# Altium PCB IoT_Greenhouse V1.0 A.PcbDoc
Units mm, origin at the board's own origin, x right, y up, seen from the top; angles counter-clockwise.
Board outline 60 x 40 mm, 2 copper layers (Top Layer, Bottom Layer), stack 1.569 mm thick; 99 components, 61 nets, 389 pads, 0 vias.
Unrouted connection lines stored in the file: 270.
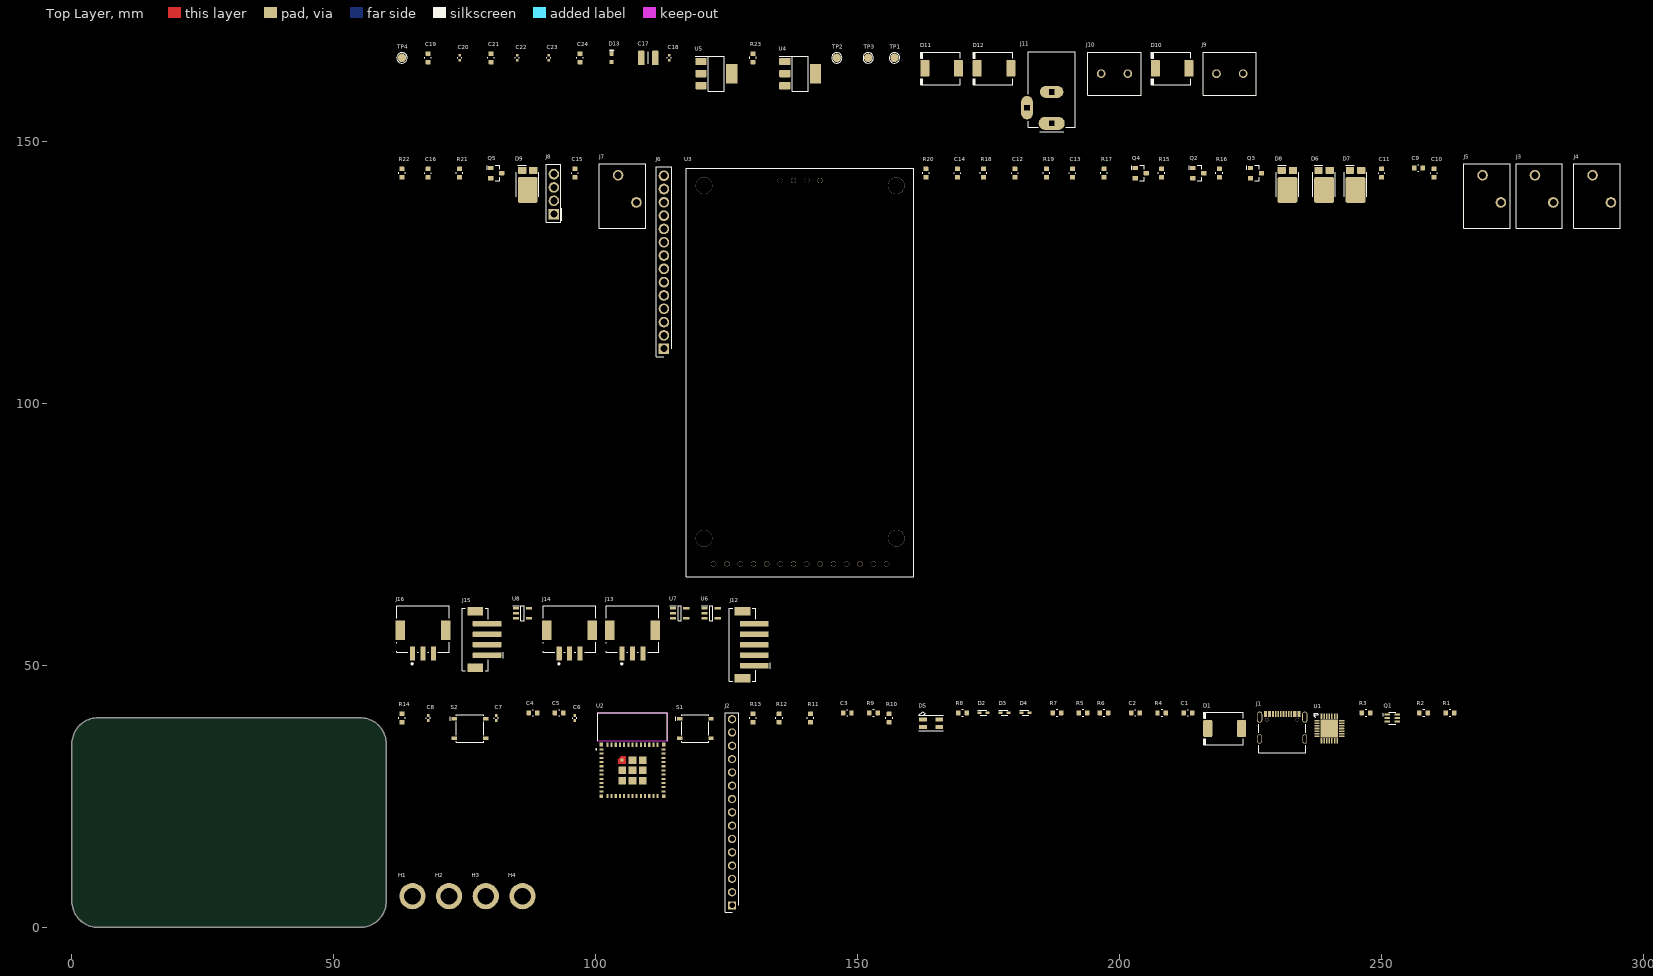
[diagram p0: Top Layer view]
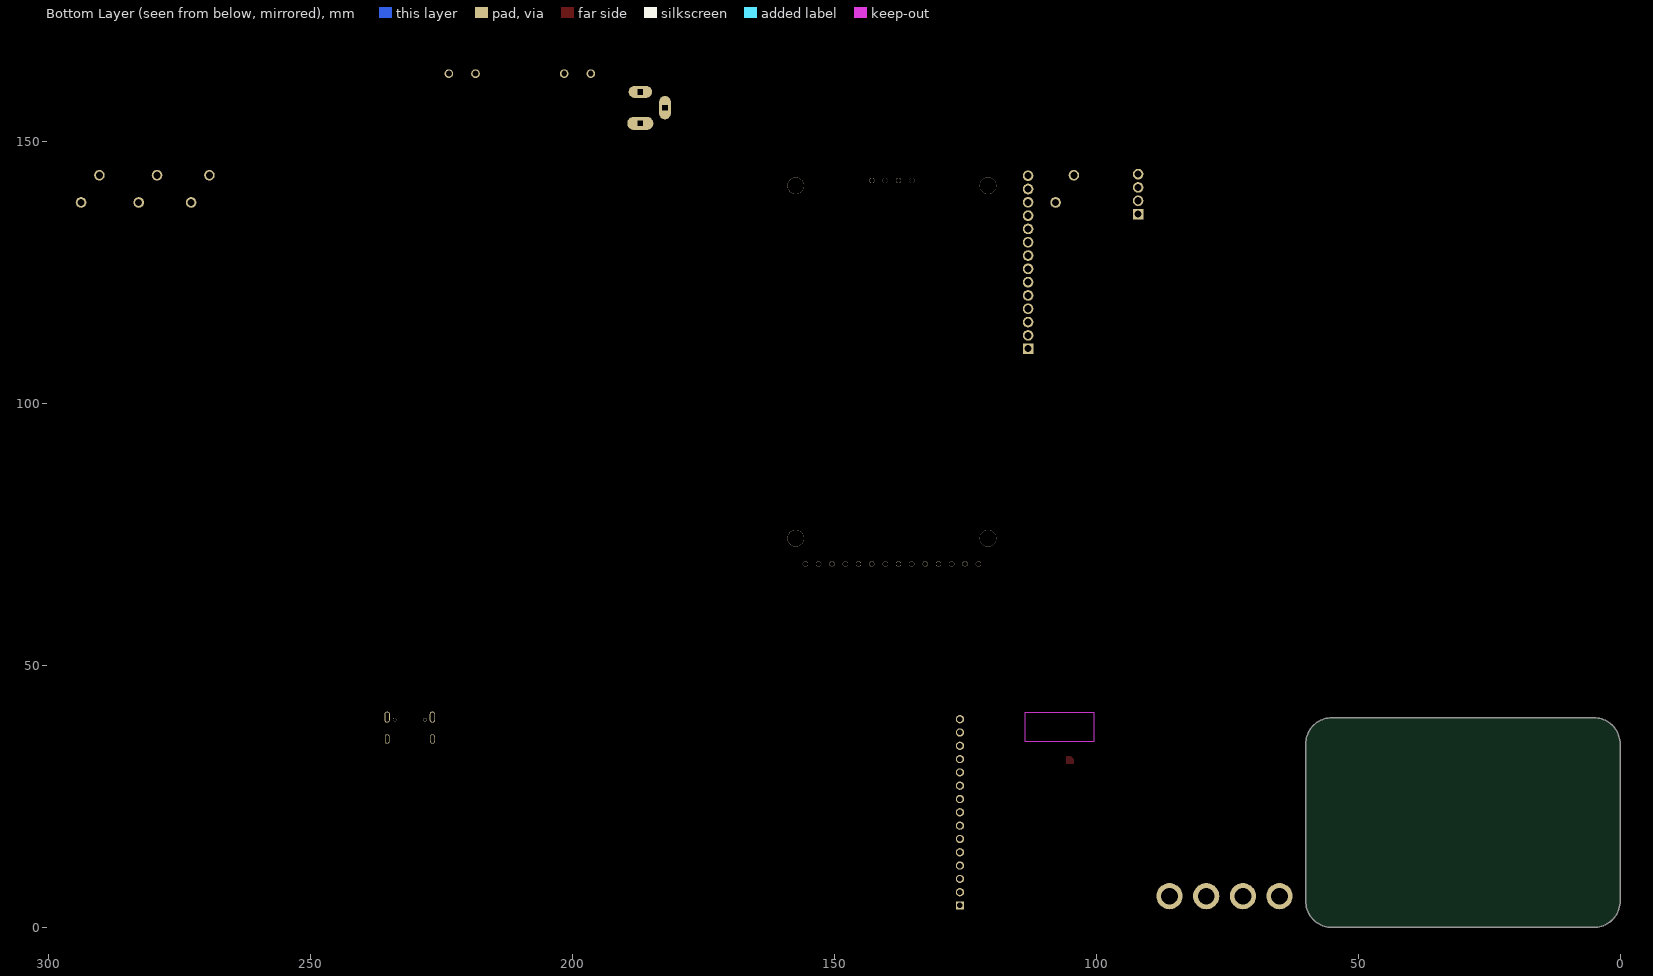
[diagram p1: Bottom Layer view, seen from below]

## Layer stack, top to bottom
Top Solder: solder mask 0.0254, SM-001, Dk 4
Top Layer: signal copper 0.035
Dielectric 1: core 1.4986, Core-043, Dk 4.3
Bottom Layer: signal copper 0.035
Bottom Solder: solder mask 0.0254, SM-001, Dk 4

## Board outline
0.028,5.025 0.028,35.025 cw(c5.028,35.025) 5.028,40.025 55.028,40.025 cw(c55.028,35.025) 60.028,35.025 60.028,5.025 cw(c55.028,5.025) 55.028,0.025 5.028,0.025 cw(c5.028,5.025)

## Design rules (kind name [scope] priority, off if disabled: settings)
BoardOutlineClearance [(InNet('GND')AND IsPolygon)] p1: gap=0.2 ignorepadtopadclearanceinfootprint=FALSE
Clearance [All] p1: gap=0.254 ignorepadtopadclearanceinfootprint=FALSE
ComponentClearance J1_Con_Clearance [InComponent('J1')] p1: gap=-100 collisioncheckmode=3 verticalgap=-100 showdistances=TRUE
ComponentClearance [All] p2: gap=0.254 collisioncheckmode=3 verticalgap=0.178 showdistances=TRUE
Height Height_BOT [(OnLayer('Bottom Layer'))] p2: minheight=0 maxheight=6 prefheight=4
HoleSize [All] p1 off: absolutevalues=TRUE maxlimit=2.54 minlimit=0.025 maxpercent=80.000 minpercent=20.000
HoleToHoleClearance [All] p1: gap=0 allowstackedmicrovias=TRUE
MatchedLengths MatchedLengths_eMMC [InNetClass('eMMC')] p1: tolerance=0.1 checknetsindiffpair=FALSE checkdiffpairvsdiffpair=TRUE checkxsignals=TRUE checkothers=TRUE
MatchedLengths DIFF_PAIRS_Z90 [InDifferentialPairClass('Z90')] p2: tolerance=0.1 checknetsindiffpair=TRUE checkdiffpairvsdiffpair=FALSE checkxsignals=FALSE checkothers=FALSE
MatchedLengths DIFF_PAIRS_Z100 [InDifferentialPairClass('Z100')] p3: tolerance=0.1 checknetsindiffpair=TRUE checkdiffpairvsdiffpair=FALSE checkxsignals=FALSE checkothers=FALSE
MatchedLengths ADD_CMD_CTRLB_G3 [InNetClass('ADD_CMD_CTRLB_G3')] p4: tolerance=0.1 checknetsindiffpair=FALSE checkdiffpairvsdiffpair=TRUE checkxsignals=TRUE checkothers=TRUE
MatchedLengths ADD_CMD_CTRLB_G2 [InNetClass('ADD_CMD_CTRLB_G2')] p5: tolerance=0.1 checknetsindiffpair=FALSE checkdiffpairvsdiffpair=TRUE checkxsignals=TRUE checkothers=TRUE
MatchedLengths ADD_CMD_CTRLB_G1 [InNetClass('ADD_CMD_CTRLB_G1')] p6: tolerance=0.1 checknetsindiffpair=FALSE checkdiffpairvsdiffpair=TRUE checkxsignals=TRUE checkothers=TRUE
MatchedLengths ADD_CMD_CTRLA_G3 [InNetClass('ADD_CMD_CTRLA_G3')] p7: tolerance=0.1 checknetsindiffpair=FALSE checkdiffpairvsdiffpair=TRUE checkxsignals=TRUE checkothers=TRUE
MatchedLengths ADD_CMD_CTRLA_G2 [InNetClass('ADD_CMD_CTRLA_G2')] p8: tolerance=0.1 checknetsindiffpair=FALSE checkdiffpairvsdiffpair=TRUE checkxsignals=TRUE checkothers=TRUE
MatchedLengths ADD_CMD_CTRLA_G1 [InNetClass('ADD_CMD_CTRLA_G1')] p9: tolerance=0.1 checknetsindiffpair=FALSE checkdiffpairvsdiffpair=TRUE checkxsignals=TRUE checkothers=TRUE
MatchedLengths DIIFF_PAIRS_Z85 [InDifferentialPairClass('All Differential Pairs')] p10: tolerance=0.1 checknetsindiffpair=TRUE checkdiffpairvsdiffpair=FALSE checkxsignals=FALSE checkothers=FALSE
MinimumSolderMaskSliver [All] p1: minsoldermaskwidth=0
PlaneConnect PlaneConnect_1 [IsVia] p1: planeconnectstyle=Direct reliefexpansion=0.508 reliefentries=4 reliefconductorwidth=0.254 reliefairgap=0.254
PlaneConnect [IsPad] p2: planeconnectstyle=Direct reliefexpansion=0.5 reliefentries=4 reliefconductorwidth=0.3 reliefairgap=0.25
PolygonConnect [IsPolygon vs IsPad] p1: connectstyle=Direct reliefconductorwidth=0.3 reliefentries=4 polygonreliefangle="90 Angle" airgapwidth=0.3
PolygonConnect Polygon_Via [IsPolygon vs IsVia] p2: connectstyle=Direct reliefconductorwidth=0.254 reliefentries=4 polygonreliefangle="90 Angle" airgapwidth=0.254
RoutingVias [All] p1: holewidth=0.203 width=1 viastyle="Through Hole" minholewidth=0.203 minwidth=0.355 maxholewidth=3.3 maxwidth=1.27
SilkToSilkClearance [All] p1: silktosilkclearance=0.1
SilkToSolderMaskClearance SilkscreenOverComponentPads [IsPad] p1: minsilkscreentomaskgap=0.002 clearancetoexposedcopper=TRUE
SolderMaskExpansion SolderMaskExpVia [IsVia] p1: expansion=-0.076 istentingtop=TRUE
SolderMaskExpansion SolderMaskExpPad [IsPad] p2: expansion=0.051 istentingtop=FALSE
Width [All] p1: maxlimit=5 minlimit=0.085 preferedwidth=0.254
23 further rules are at their usual default settings.

## Classes and differential pairs
component class "IoT_Greenhouse V1.0 A - Pwr Input": C17 C18 C19 C20 C21 C22 C23 C24 D10 D11 D12 D13 J9 J10 J11 R23 TP1 TP2 TP3 TP4 U4 U5
component class "IoT_Greenhouse V1.0 A - Outputs": C9 C10 C11 C12 C13 C14 C15 C16 D6 D7 D8 D9 J3 J4 J5 J6 J7 J8 Q2 Q3 Q4 Q5 R15 R16 R17 R18 R19 R20 R21 R22 U3
component class "IoT_Greenhouse V1.0 A - Inputs": J12 J13 J14 J15 J16 U6 U7 U8
component class "IoT_Greenhouse V1.0 A - Esp32": C1 C2 C3 C4 C5 C6 C7 C8 D1 D2 D3 D4 D5 J1 J2 Q1 R1 R2 R3 R4 R5 R6 R7 R8 R9 R10 R11 R12 R13 R14 S1 S2 U1 U2

## Components (designator, comment, footprint, x,y, rotation, side; value= is the part's Value field where it differs from the comment)
C1 "GRM188R61E106MA73D" CAP_0603_CAPC1608X08N 213.028,40.975 r0 top
C2 "GRM188R61E106MA73D" CAP_0603_CAPC1608X08N 203.028,40.975 r0 top
C3 "CL10A105KO8NNNC" CAP_0603_CAPC1608X08N 148.028,40.975 r0 top
C4 "CL10A105KO8NNNC" CAP_0603_CAPC1608X08N 88.028,40.975 r0 top
C5 "GRM188R61E106MA73D" CAP_0603_CAPC1608X08N 93.028,40.975 r0 top
C6 "GRM155R71H104KE14D" CAP_0402_CAPC1005X05N 96.028,39.975 r90 top
C7 "GRM155R71H104KE14D" CAP_0402_CAPC1005X05N 81.028,39.975 r90 top
C8 "GRM155R71H104KE14D" CAP_0402_CAPC1005X05N 68.028,39.975 r90 top
C9 "CL10B104KO8NNNC" CAP_0603_CAPC1608X08N 257.028,144.975 r0 top
C10 "CL10B104KO8NNNC" CAP_0603_CAPC1608X08N 260.028,143.975 r90 top
C11 "CL10B104KO8NNNC" CAP_0603_CAPC1608X08N 250.028,143.975 r90 top
C12 "CL10B104KO8NNNC" CAP_0603_CAPC1608X08N 180.028,143.975 r90 top
C13 "CL10B104KO8NNNC" CAP_0603_CAPC1608X08N 191.028,143.975 r90 top
C14 "CL10B104KO8NNNC" CAP_0603_CAPC1608X08N 169.028,143.975 r90 top
C15 "CL10B104KO8NNNC" CAP_0603_CAPC1608X08N 96.028,143.975 r90 top
C16 "CL10B104KO8NNNC" CAP_0603_CAPC1608X08N 68.028,143.975 r90 top
C17 "GRM32ER71E226KE15L" CAP_1210_CAPC3225X270N 110.028,165.975 r0 top
C18 "GRM155R71H104KE14D" CAP_0402_CAPC1005X05N 114.028,165.975 r90 top
C19 "GRM188R61E106MA73D" CAP_0603_CAPC1608X08N 68.028,165.975 r90 top
C20 "GRM155R71H104KE14D" CAP_0402_CAPC1005X05N 74.028,165.975 r90 top
C21 "GRM188R61E106MA73D" CAP_0603_CAPC1608X08N 80.028,165.975 r90 top
C22 "GRM155R71H104KE14D" CAP_0402_CAPC1005X05N 85.028,165.975 r90 top
C23 "GRM155R71H104KE14D" CAP_0402_CAPC1005X05N 91.028,165.975 r90 top
C24 "GRM188R61E106MA73D" CAP_0603_CAPC1608X08N 97.028,165.975 r90 top
D1 "SS34-E3/9AT" DIO_Vishay_SMC_MFG 220.028,37.975 r0 top
D2 "ESD5Z5.0T1G" SOD523_SODFL1608X70N 174.028,40.975 r0 top
D3 "ESD5Z5.0T1G" SOD523_SODFL1608X70N 178.028,40.975 r0 top
D4 "ESD5Z5.0T1G" SOD523_SODFL1608X70N 182.028,40.975 r0 top
D5 "WS2812B-B/W" "LED_RGB_3528_ XL-3528RGBW-WS2812B" 164.028,38.975 r0 top
D6 "PMEG100V060ELPDZ" DIO_SCKTY_PMEG060V100EPDAZ 239.028,141.975 r0 top
D7 "PMEG100V060ELPDZ" DIO_SCKTY_PMEG060V100EPDAZ 245.028,141.975 r0 top
D8 "PMEG100V060ELPDZ" DIO_SCKTY_PMEG060V100EPDAZ 232.028,141.975 r0 top
D9 "PMEG100V060ELPDZ" DIO_SCKTY_PMEG060V100EPDAZ 87.028,141.975 r0 top
D10 "SS34-E3/9AT" DIO_Vishay_SMC_MFG 210.028,163.975 r0 top
D11 "SS34-E3/9AT" DIO_Vishay_SMC_MFG 166.028,163.975 r0 top
D12 "SS34-E3/9AT" DIO_Vishay_SMC_MFG 176.028,163.975 r0 top
D13 "LTST-C190KRKT" LED_0603-RED-0.75mm 103.028,165.975 r90 top
H1 "Mounting Hole" PTH_3.2X5 65.028,5.975 r0 top
H2 "Mounting Hole" PTH_3.2X5 72.028,5.975 r0 top
H3 "Mounting Hole" PTH_3.2X5 79.028,5.975 r0 top
H4 "Mounting Hole" PTH_3.2X5 86.028,5.975 r0 top
J1 "TYPE-C 16PIN 2MD(073)" CONN_USB_C_16P 231.028,35.975 r0 top
J2 "PPTC151LFBN-RC" HEADER_FEM_RHDR15W85P0X254_1X15_3708X254X850P 126.028,21.975 r90 top
J3 "1-2834011-2" CONN_TBLOCK_128340112 281.028,140.975 r0 top
J4 "1-2834011-2" CONN_TBLOCK_128340112 292.028,140.975 r0 top
J5 "1-2834011-2" CONN_TBLOCK_128340112 271.028,140.975 r0 top
J6 "PPTC141LFBN-RC" CONN_HEADER_RHDR14W80P0X254_1X14_3606X254X850P 113.028,126.975 r90 top
J7 "1-2834011-2" CONN_TBLOCK_128340112 106.028,140.975 r0 top
J8 "PM254V-11-04-H85" CONN_HEADER_FEM_4P 92.028,139.975 r90 top
J9 "282837-2" CONN_TBLOCK_2P_\2828372 221.028,162.975 r0 top
J10 "282837-2" CONN_TBLOCK_2P_\2828372 199.028,162.975 r0 top
J11 "PJ-202AH" CONN_CUI_PJ-202AH 187.028,159.975 r90 top
J12 "B5B-PH-SM4-TBT(LF)(SN)" CONN_JST_0_MFG_5P 128.028,53.975 r90 top
J13 "SM03B-PASS-TBT" CONN_JST_SM03B-PASS-TBT_LF_SN_MFG 107.028,56.975 r0 top
J14 "SM03B-PASS-TBT" CONN_JST_SM03B-PASS-TBT_LF_SN_MFG 95.028,56.975 r0 top
J15 "B4B-PH-SM4-TBT(LF)(SN)" CONN_JST_0_MFG_4P 77.028,54.975 r90 top
J16 "SM03B-PASS-TBT" CONN_JST_SM03B-PASS-TBT_LF_SN_MFG 67.028,56.975 r0 top
Q1 "BC847BDW1T1G" TRANS_BJT_SOT65P210X110-6N 252.028,39.975 r0 top
Q2 "DMG6968U-7" SOT_23_3_MMBT2907A-13 215.028,143.975 r0 top
Q3 "DMG6968U-7" SOT_23_3_MMBT2907A-13 226.028,143.975 r0 top
Q4 "DMG6968U-7" SOT_23_3_MMBT2907A-13 204.028,143.975 r0 top
Q5 "DMG6968U-7" SOT_23_3_MMBT2907A-13 81.028,143.975 r0 top
R1 "RC0603FR-070RL" RES_0603_RESC1608X04N 263.028,40.975 r0 top
R2 "RC0603FR-070RL" RES_0603_RESC1608X04N 258.028,40.975 r0 top
R3 "AC0603FR-1010KL" RES_0603_RESC1608X04N 247.028,40.975 r0 top
R4 "AC0603FR-1010KL" RES_0603_RESC1608X04N 208.028,40.975 r0 top
R5 "RC0603FR-075K1L" RES_0603_RESC1608X04N 193.028,40.975 r0 top
R6 "RC0603FR-075K1L" RES_0603_RESC1608X04N 197.028,40.975 r0 top
R7 "RC0603FR-070RL" RES_0603_RESC1608X04N 188.028,40.975 r0 top
R8 "AC0603FR-1010KL" RES_0603_RESC1608X04N 170.028,40.975 r0 top
R9 "RC0603FR-0722K1L" RES_0603_RESC1608X04N 153.028,40.975 r0 top
R10 "AC0603FR-101KL" RES_0603_RESC1608X04N 156.028,39.975 r90 top
R11 "AC0603FR-0747K5L" RES_0603_RESC1608X04N 141.028,39.975 r90 top
R12 "AC0603FR-1010KL" RES_0603_RESC1608X04N 135.028,39.975 r90 top
R13 "AC0603FR-1010KL" RES_0603_RESC1608X04N 130.028,39.975 r90 top
R14 "AC0603FR-1010KL" RES_0603_RESC1608X04N 63.028,39.975 r90 top
R15 "RC0603JR-0710RL" RES_0603_RESC1608X04N 208.028,143.975 r90 top
R16 "RC0603JR-0710RL" RES_0603_RESC1608X04N 219.028,143.975 r90 top
R17 "RC0603JR-0710RL" RES_0603_RESC1608X04N 197.028,143.975 r90 top
R18 "RC0603FR-07100KL" RES_0603_RESC1608X04N 174.028,143.975 r90 top
R19 "RC0603FR-07100KL" RES_0603_RESC1608X04N 186.028,143.975 r90 top
R20 "RC0603FR-07100KL" RES_0603_RESC1608X04N 163.028,143.975 r90 top
R21 "RC0603JR-0710RL" RES_0603_RESC1608X04N 74.028,143.975 r90 top
R22 "RC0603FR-07100KL" RES_0603_RESC1608X04N 63.028,143.975 r90 top
R23 "AC0603FR-101KL" RES_0603_RESC1608X04N 130.028,165.975 r90 top
S1 "PTS526SK15SMTR2LFS" SWT_NO_PTS526SK15SMTR2LFS 119.028,37.975 r0 top
S2 "PTS526SK15SMTR2LFS" SWT_NO_PTS526SK15SMTR2LFS 76.028,37.975 r0 top
TP1 "NO COMPONENT" TP_PAD_1.6MM_SMD_ROUND 157.028,165.975 r90 top
TP2 "NO COMPONENT" TP_PAD_1.6MM_SMD_ROUND 146.028,165.975 r90 top
TP3 "NO COMPONENT" TP_PAD_1.6MM_SMD_ROUND 152.028,165.975 r90 top
TP4 "NO COMPONENT" TP_PAD_1.6MM_SMD_ROUND 63.028,165.975 r90 top
U1 "CP2102N-A02-GQFN28R" IC_BRIDGE_UART_QFN50P500X500X80-29N-D 240.028,37.975 r0 top
U2 "ESP32-C3-MINI-1-N4" XCVR_ESP32-C3-MINI-1-N4 107.028,29.975 r0 top
U3 "TFT LCD 2.4\"" "MODULE_TFT_2.4\"" 139.028,105.975 r0 top
U4 "AP2114H-3.3TRG1" IC_REG_SOT230P700X180-4N 139.028,162.975 r0 top
U5 "AZ1117IH-5.0TRG1" IC_REG_SOT230P700X180-4N 123.028,162.975 r0 top
U6 "TLV2371IDBVT" IC_AMP_OP_SOT95P280X145-5N 122.028,59.975 r0 top
U7 "TLV2371IDBVT" IC_AMP_OP_SOT95P280X145-5N 116.028,59.975 r0 top
U8 "TLV2371IDBVT" IC_AMP_OP_SOT95P280X145-5N 86.028,59.975 r0 top

## Footprints (in the part's own frame and the unit in brackets; to place one, negate y for a bottom-side part, rotate by r counter-clockwise, add the part's x,y. Pads: shape width x height; smd on the part's side, far side on the other; paste and mask are expansions set on the pad)
CAP_0402_CAPC1005X05N [mil] "Chip Capacitor, 2-Leads, Body 1.00x0.50mm, IPC Medium Density"
  rrect20% 20x20 smd: 1(-18.9,0) 2(18.9,0)
  silkscreen extent -4,-15 4,15, body extent -20,-10 20,10, height 20
CAP_0603_CAPC1608X08N [mm] "Chip Capacitor, 2-Leads, Body 1.60x0.80mm, IPC Medium Density"
  rrect20% 0.85x0.95 smd: 1(-0.8,0) 2(0.8,0)
  silkscreen extent -0.1,-0.61 0.1,0.61, body extent -0.8,-0.4 0.8,0.4, height 0.3
CAP_1210_CAPC3225X270N [mm] "0.126\" L x 0.098\" W (3.20mm x 2.50mm)"
  rrect20% 1.26x2.72 smd: 1(-1.33,0) 2(1.33,0)
  silkscreen extent 0,-1.15 0,1.15, body extent -1.6,-1.25 1.6,1.25, height 2.7
CONN_CUI_PJ-202AH [mm] "Through Hole, Right Angle"
  oval 2.5x5 hole 1 square: 1(-6.5,0)
  oval 2.25x4.5 hole 1 square: 2(-0.5,0)
  oval 4.5x2.25 hole 1 square: 3(-3.5,4.7)
  silkscreen extent -8.13,-4.5 7.2,4.5, body extent -7.11,-4.52 7.29,4.88, height 11.01
CONN_HEADER_FEM_4P [mm] "2.54mm"
  rect 2.025x2.025 hole 1.35: 1(-3.81,0)
  round 2.025 hole 1.35: 2(-1.27,0) 3(1.27,0) 4(3.81,0)
  silkscreen extent -5.33,-1.52 5.68,1.46, body extent -5.33,-1.27 5.33,1.27, height 8.5
CONN_HEADER_RHDR14W80P0X254_1X14_3606X254X850P [mm]
  rect 2.025x2.025 hole 1.35: 1(-16.51,0)
  round 2.025 hole 1.35: 2(-13.97,0) 3(-11.43,0) 4(-8.89,0) 5(-6.35,0) 6(-3.81,0) 7(-1.27,0) 8(1.27,0) 9(3.81,0) 10(6.35,0) 11(8.89,0) 12(11.43,0) 13(13.97,0) 14(16.51,0)
  silkscreen extent -18.03,-1.5 18.24,1.5, body extent -18.03,-1.27 18.03,1.27, height 8.5
CONN_JST_0_MFG_4P [mm] "Connector Header Surface Mount 4 position 0.079\" (2.00mm)"
  rect 1.6x3 smd paste+0: 0(-5.4,0) 0(5.4,0)
  rrect20% 1x5.5 smd paste+0: 1(-3,-2.25) 2(-1,-2.25) 3(1,-2.25) 4(3,-2.25)
  silkscreen extent -5.97,-5.33 5.97,2.5, body extent -6.3,-5.1 6.3,2.6, height 0.25
CONN_JST_0_MFG_5P [mm] "Connector Header Surface Mount 5 position 0.079\" (2.00mm)"
  rect 1.6x3 smd paste+0: 0(-6.4,0) 0(6.4,0)
  rrect20% 1x5.5 smd paste+0: 1(-4,-2.25) 2(-2,-2.25) 3(0,-2.25) 4(2,-2.25) 5(4,-2.25)
  silkscreen extent -6.98,-5.33 6.98,2.5, body extent -7.3,-5.1 7.3,2.6, height 0.25
CONN_JST_SM03B-PASS-TBT_LF_SN_MFG [mm]
  rrect20% 1x2.7 smd: 1(-2,-4.7) 2(0,-4.7) 3(2,-4.7)
  rect 1.8x3.8 smd: SH(-4.35,-0.25) SH(4.35,-0.25)
  silkscreen extent -5,-6.8 5,4.45, body extent -5.35,-6.15 5.35,4.55, height 0.25
CONN_TBLOCK_2P_\2828372 [mm]
  round 1.65 hole 1.1: 1(-2.54,0) 2(2.54,0)
  silkscreen extent -5.08,-4.1 5.08,4.1, body extent -5.03,-4.09 5.73,4.11, height 10.1
CONN_TBLOCK_128340112 [mm] "Pitch 3.5mm"
  round 2.025 hole 1.35: 1(-1.75,2.6) 2(1.75,-2.6)
  silkscreen extent -5.35,-7.55 3.5,4.8, body extent -5.17,-7.35 3.33,4.65, height 12.79
CONN_USB_C_16P [mm] "SMD 16P"
  rect 0.6x1.14 smd: A1_B12(-3.2,4.75) A4_B9(-2.4,4.75) B1_A12(3.2,4.75) B4_A9(2.4,4.75)
  rect 0.3x1.14 smd: A5(-1.25,4.75) A6(-0.25,4.75) A7(0.25,4.75) A8(1.25,4.75) B5(1.75,4.75) B6(0.75,4.75) B7(-0.75,4.75) B8(-1.75,4.75)
  oval 1.05x2.1 hole 0.6 slot 1.7 at 90 deg: SH1(-4.32,4.18) SH2(4.32,4.18)
  oval 0.9x1.8 hole 0.6 slot 1.4 at 90 deg: SH3(-4.32,0) SH4(4.32,0)
  round 0.65 hole 0.65 unplated: ""(-2.89,3.68) ""(2.89,3.68)
  silkscreen extent -4.47,-2.6 4.47,2.81, body extent -4.47,-2.57 4.47,5.03, height 3.23
DIO_SCKTY_PMEG060V100EPDAZ [mm] "SOT1289"
  rrect20% 1.6x1.34 smd: A(-1.065,2.537) A(1.065,2.537)
  rrect20% 3.8x4.96 smd: K(0,-1.213)
  silkscreen extent -2.15,-2.54 2.15,3.53, body extent -2.23,-3.49 2.22,3.01, height 0.8
DIO_Vishay_SMC_MFG [mm] "DO-214AB (SMA)"
  rrect20% 1.72x3.2 smd paste+0: 1(-3.205,0) 2(3.205,0)
  silkscreen extent -4,-3.11 3.55,3.11, body extent -4.17,-3.21 4.17,3.21, height 0.25
HEADER_FEM_RHDR15W85P0X254_1X15_3708X254X850P [mm]
  rect 1.575x1.575 hole 1.05: 1(-17.78,0)
  round 1.575 hole 1.05: 2(-15.24,0) 3(-12.7,0) 4(-10.16,0) 5(-7.62,0) 6(-5.08,0) 7(-2.54,0) 8(0,0) 9(2.54,0) 10(5.08,0) 11(7.62,0) 12(10.16,0) 13(12.7,0) 14(15.24,0) 15(17.78,0)
  silkscreen extent -19.05,-1.27 19,1.27, body extent -18.54,-1.27 18.54,1.27, height 8.5
IC_AMP_OP_SOT95P280X145-5N [mm] "SOT-23-5"
  rrect20% 1.2x0.55 smd: 1(-1.25,0.95) 2(-1.25,0) 3(-1.25,-0.95) 4(1.25,-0.95) 5(1.25,0.95)
  silkscreen extent -1.85,-1.46 0.3,1.48, body extent -1.4,-1.46 1.4,1.46, height 1.45
IC_BRIDGE_UART_QFN50P500X500X80-29N-D [mm]
  rrect20% 1x0.3 smd: 1(-2.35,1.5) 2(-2.35,1) 3(-2.35,0.5) 4(-2.35,0) 5(-2.35,-0.5) 6(-2.35,-1) 7(-2.35,-1.5) 15(2.35,-1.5) 16(2.35,-1) 17(2.35,-0.5) 18(2.35,0) 19(2.35,0.5) 20(2.35,1) 21(2.35,1.5)
  rrect20% 0.3x1 smd: 8(-1.5,-2.35) 9(-1,-2.35) 10(-0.5,-2.35) 11(0,-2.35) 12(0.5,-2.35) 13(1,-2.35) 14(1.5,-2.35) 22(1.5,2.35) 23(1,2.35) 24(0.5,2.35) 25(0,2.35) 26(-0.5,2.35) 27(-1,2.35) 28(-1.5,2.35)
  rect 3.35x3.35 smd: 29(0,0)
  silkscreen extent -2.9,2.11 -2.08,2.9, body extent -2.55,-2.55 2.55,2.55, height 0.8
IC_REG_SOT230P700X180-4N [mm] "SOT223, 4-Leads, Body 6.50x7.00mm (avg), Pitch 2.30mm, IPC Medium Density"
  rrect20% 2.15x1.4 smd: 1(-2.925,2.3) 2(-2.925,0) 3(-2.925,-2.3)
  rect 2.15x3.7 smd: 4(2.925,0)
  silkscreen extent -4.01,-3.35 1.55,3.35, body extent -3.5,-3.2 3.5,3.3, height 1.65
LED_0603-RED-0.75mm [mm] "LED 0603 RED height = 0.75mm"
  rrect25% 0.8x0.8 smd: 1(0.8,0) 2(-0.8,0)
  silkscreen extent 1.4,-0.38 1.52,0.38, body extent -0.8,-0.4 0.81,0.4, height 0.8
"LED_RGB_3528_ XL-3528RGBW-WS2812B" [mm] "SMT Full-color TOP LED Waterclear, body 3.5x2.8mm"
  rrect20% 1.5x0.8 smd: 1(-1.55,0.7) 2(-1.55,-0.7) 3(1.55,-0.7) 4(1.55,0.7)
  silkscreen extent -2.36,-1.47 2.34,2.22, body extent -1.75,-1.4 1.75,1.4, height 1.9
"MODULE_TFT_2.4\"" [mm]
  round 1 hole 1: 1(-16.51,-36.59) 2(-13.97,-36.59) 3(-11.43,-36.59) 4(-8.89,-36.59) 5(-6.35,-36.59) 6(-3.81,-36.59) 7(-1.27,-36.59) 8(1.27,-36.59) 9(3.81,-36.59) 10(6.35,-36.59) 11(8.89,-36.59) 12(11.43,-36.59) 13(13.97,-36.59) 14(16.51,-36.59) 15(-3.81,36.59) 16(-1.27,36.59) 17(1.27,36.59) 18(3.81,36.59)
  round 3.2 hole 3.2: ""(-18.36,-31.669) ""(-18.36,35.59) ""(18.36,35.59) ""(18.36,-31.67)
  silkscreen extent -21.77,-39.03 21.73,38.97, body extent -21.33,-38.63 21.39,38.55, height 10
PTH_3.2X5 [mm] "PTH 3.2mm drill 5mm ring"
  round 5 hole 3.2 paste-10: 1(0,0)
RES_0603_RESC1608X04N [mm] "Chip Resistor, 2-Leads, Body 1.60x0.80mm, IPC Medium Density"
  rrect20% 0.85x0.95 smd: 1(-0.8,0) 2(0.8,0)
  silkscreen extent -0.13,-0.64 0.17,0.64, body extent -0.8,-0.4 0.8,0.4, height 0.46
SOD523_SODFL1608X70N [mm]
  rrect20% 0.74x0.52 smd: 1(-0.75,0) 2(0.75,0)
  silkscreen extent -1.06,-0.46 0.61,0.48, body extent -0.8,-0.4 0.8,0.4, height 0.7
SOT_23_3_MMBT2907A-13 [mm] "SOT-23-3"
  rrect20% 1x0.85 smd: 1(-1.05,0.98) 2(-1.05,-0.98) 3(1.05,0)
  silkscreen extent -1.75,-1.46 0.65,1.46, body extent -1.21,-1.5 1.21,1.5, height 1.12
SWT_NO_PTS526SK15SMTR2LFS [mm] "TACT 5.2 X 5.2 mm"
  rrect20% 1x0.7 smd: 1(-3,1.85) 2(3,1.85) 3(-3,-1.85) 4(3,-1.85)
  silkscreen extent -3.78,-2.6 2.6,2.6, body extent -3.2,-2.6 3.2,2.6, height 1.55
TP_PAD_1.6MM_SMD_ROUND [mm] "Test Point, round, 1.6mm diameter, smd pad"
  round 1.6 smd paste-1.524: 1(0,0)
  silkscreen extent -1,-1 1,1
TRANS_BJT_SOT65P210X110-6N [mm]
  rrect20% 1.02x0.36 smd: 1(-0.955,0.65) 2(-0.955,0) 3(-0.955,-0.65) 4(0.955,-0.65) 5(0.955,0) 6(0.955,0.65)
  silkscreen extent -1.73,-1.15 0.63,1.15, body extent -1.05,-1 1.05,1, height 1.1
XCVR_ESP32-C3-MINI-1-N4 [mm]
  rrect20% 0.8x0.4 smd: 1(-5.9,4) 2(-5.9,3.2) 3(-5.9,2.4) 4(-5.9,1.6) 5(-5.9,0.8) 6(-5.9,0) 7(-5.9,-0.8) 8(-5.9,-1.6) 9(-5.9,-2.4) 10(-5.9,-3.2) 11(-5.9,-4) 25(5.9,-4) 26(5.9,-3.2) 27(5.9,-2.4) 28(5.9,-1.6) 29(5.9,-0.8) 30(5.9,0) 31(5.9,0.8) 32(5.9,1.6) 33(5.9,2.4) 34(5.9,3.2) 35(5.9,4)
  rrect20% 0.4x0.8 smd: 12(-4.8,-4.9) 13(-4,-4.9) 14(-3.2,-4.9) 15(-2.4,-4.9) 16(-1.6,-4.9) 17(-0.8,-4.9) 18(0,-4.9) 19(0.8,-4.9) 20(1.6,-4.9) 21(2.4,-4.9) 22(3.2,-4.9) 23(4,-4.9) 24(4.8,-4.9) 36(4.8,4.9) 37(4,4.9) 38(3.2,4.9) 39(2.4,4.9) 40(1.6,4.9) 41(0.8,4.9) 42(0,4.9) 43(-0.8,4.9) 44(-1.6,4.9) 45(-2.4,4.9) 46(-3.2,4.9) 47(-4,4.9) 48(-4.8,4.9)
  rect 0.6x0.6 smd paste-1 mask+0: 49_1(-1.975,1.975)
  rect 1.45x1.45 smd: 49_2(0,1.975) 49_3(1.975,1.975) 49_4(1.975,0) 49_5(1.975,-1.975) 49_6(0,-1.975) 49_7(-1.975,-1.975) 49_8(-1.975,0) 49_9(0,0)
  rrect20% 0.7x0.7 smd: 50(5.95,4.95) 51(5.95,-4.95) 52(-5.95,-4.95) 53(-5.95,4.95)
  Top Layer region: -1.25,1.25 -2.7,1.25 -2.7,2.1 -2.1,2.7 -1.25,2.7
  Keep-Out Layer region: 6.6,5.6 -6.6,5.6 -6.6,11 6.6,11
  Keep-Out Layer region: 6.6,5.6 -6.6,5.6 -6.6,11 6.6,11
  silkscreen extent -7.03,3.92 6.6,11, body extent -6.6,-5.6 6.6,11, height 2.55

## Part data
C1 C2 C5 C19 C21 C24: library part CAP_10UF_25V_X5R_0603, "Multilayer Ceramic Capacitor, 10 uF, 25 V, ± 20%, X5R, 0603 [1608 Metric]", Capacitance=10uF, Case Code (Imperial)=0603, Case Code (Metric)=1608, Dielectric=X5R, Manufacturer=Murata, Max Operating Temperature=85°C, Min Operating Temperature=-55°C, Package Quantity=1, Supplier Part Number 1=490-7202-1-ND, Tolerance=20%, Voltage=25V, Case/Package=0603, Category="Ceramic Capacitors", ComponentLink1Description=https://datasheet.ciiva.com/22776/c02e-22776427.pdf?src-supplier=Farnell, ComponentLink1URL=https://datasheet.ciiva.com/22776/c02e-22776427.pdf?src-supplier=Farnell, ComponentLink2Description=https://datasheet.ciiva.com/22619/c02e-22619674.pdf?src-supplier=Element14, ComponentLink2URL=https://datasheet.ciiva.com/22619/c02e-22619674.pdf?src-supplier=Element14, ComponentLink3Description=https://datasheet.ciiva.com/22776/608985-22776426.pdf?src-supplier=Farnell, ComponentLink3URL=https://datasheet.ciiva.com/22776/608985-22776426.pdf?src-supplier=Farnell, ComponentLink4Description=https://datasheet.ciiva.com/14906/partnumbering-e-01-14906431.pdf?src-supplier=Digi-Key, ComponentLink4URL=https://datasheet.ciiva.com/14906/partnumbering-e-01-14906431.pdf?src-supplier=Digi-Key, ComponentLink5Description=https://datasheet.ciiva.com/14906/partnumbering-e-01-14906429.pdf?src-supplier=Digi-Key, ComponentLink5URL=https://datasheet.ciiva.com/14906/partnumbering-e-01-14906429.pdf?src-supplier=Digi-Key, Construction=Flat, Depth=0.8mm, Height=0.8mm, Lead Free="Lead Free", Length=1.6mm, Manufacturer Part Number=GRM188R61E106MA73D, Material=4241ConductorMaterial, Mount="Surface Mount", Number of Pins=2, Packaging="Cut Tape", Pricing 1="1=0.26, 10=0.168, 50=0.1176, 100=0.0949, 500=0.07054, 1000=0.06173 (USD)", Reach SVHC Compliant=No, RoHS=Yes, RoHS Compliant=Yes, Series=GRM, Stock 1=2712970, Supplier 1=Digi-Key, Termination=SMD/SMT, Thickness=0.031inch, Voltage Rating=25V, Voltage Rating (DC)=25V, Weight=0.000222oz, Width=0.031inch
C3 C4: library part CAP_1UF_16V_X5R_0603, "CAP CER 1UF 16V X5R 0603", Capacitance=1uF, Case Code (Imperial)=0603, Case Code (Metric)=1608, Dielectric=X5R, Manufacturer=Samsung, Max Operating Temperature=85°C, Min Operating Temperature=-55°C, Package Quantity=1, Supplier Part Number 1=1276-1034-1-ND, Tolerance=10%, Voltage=16V, Case/Package=0603, Category="Ceramic Capacitors", ComponentLink1Description=https://datasheet.ciiva.com/16199/cl10a105ko8nnnc-16199033.pdf?src-supplier=Future+Electronics, ComponentLink1URL=https://datasheet.ciiva.com/16199/cl10a105ko8nnnc-16199033.pdf?src-supplier=Future+Electronics, ComponentLink2Description=https://datasheet.ciiva.com/15195/getdatasheetpartid-359688-15195706.pdf?src-supplier=Verical, ComponentLink2URL=https://datasheet.ciiva.com/15195/getdatasheetpartid-359688-15195706.pdf?src-supplier=Verical, ComponentLink3Description=https://datasheet.ciiva.com/29198/458190-da-01-en-vs-kondensator-0603-29198480.pdf?src-supplier=Conrad, ComponentLink3URL=https://datasheet.ciiva.com/29198/458190-da-01-en-vs-kondensator-0603-29198480.pdf?src-supplier=Conrad, Construction=Flat, Contact Plating=Tin, Depth=0.8mm, Height=0.8mm, Lead Free="Lead Free", Length=1.6mm, Manufacturer Part Number=CL10A105KO8NNNC, Material=Ceramic, Mount="Surface Mount", Packaging="Tape and Reel", Pricing 1="1=0.10000, 10=0.03300, 50=0.01800, 100=0.01470, 500=0.01050, 1000=0.00825 (USD)", Radiation Hardening=No, RoHS=Yes, RoHS Compliant=Yes, Series=CL, Stock 1=252255, Supplier 1=Digi-Key, Supplier 2=Mouser, Supplier 3=Newark, Supplier Part Number 2=187-CL10A105KO8NNNC, Supplier Part Number 3=82AC9279, Thickness=0.035inch, Voltage Rating=16V, Voltage Rating (DC)=16V, Width=0.031inch